# Altium PCB PCB.PcbDoc (part 2 of 4)
Units mm, origin at the board's own origin, x right, y up, seen from the top; angles counter-clockwise.
Board outline 100 x 100 mm, 6 copper layers (Top Layer, Layer 2, Layer 3, Layer 4, Layer 5, Bottom Layer), stack 1.538 mm thick; 356 components, 247 nets, 1022 pads, 371 vias.
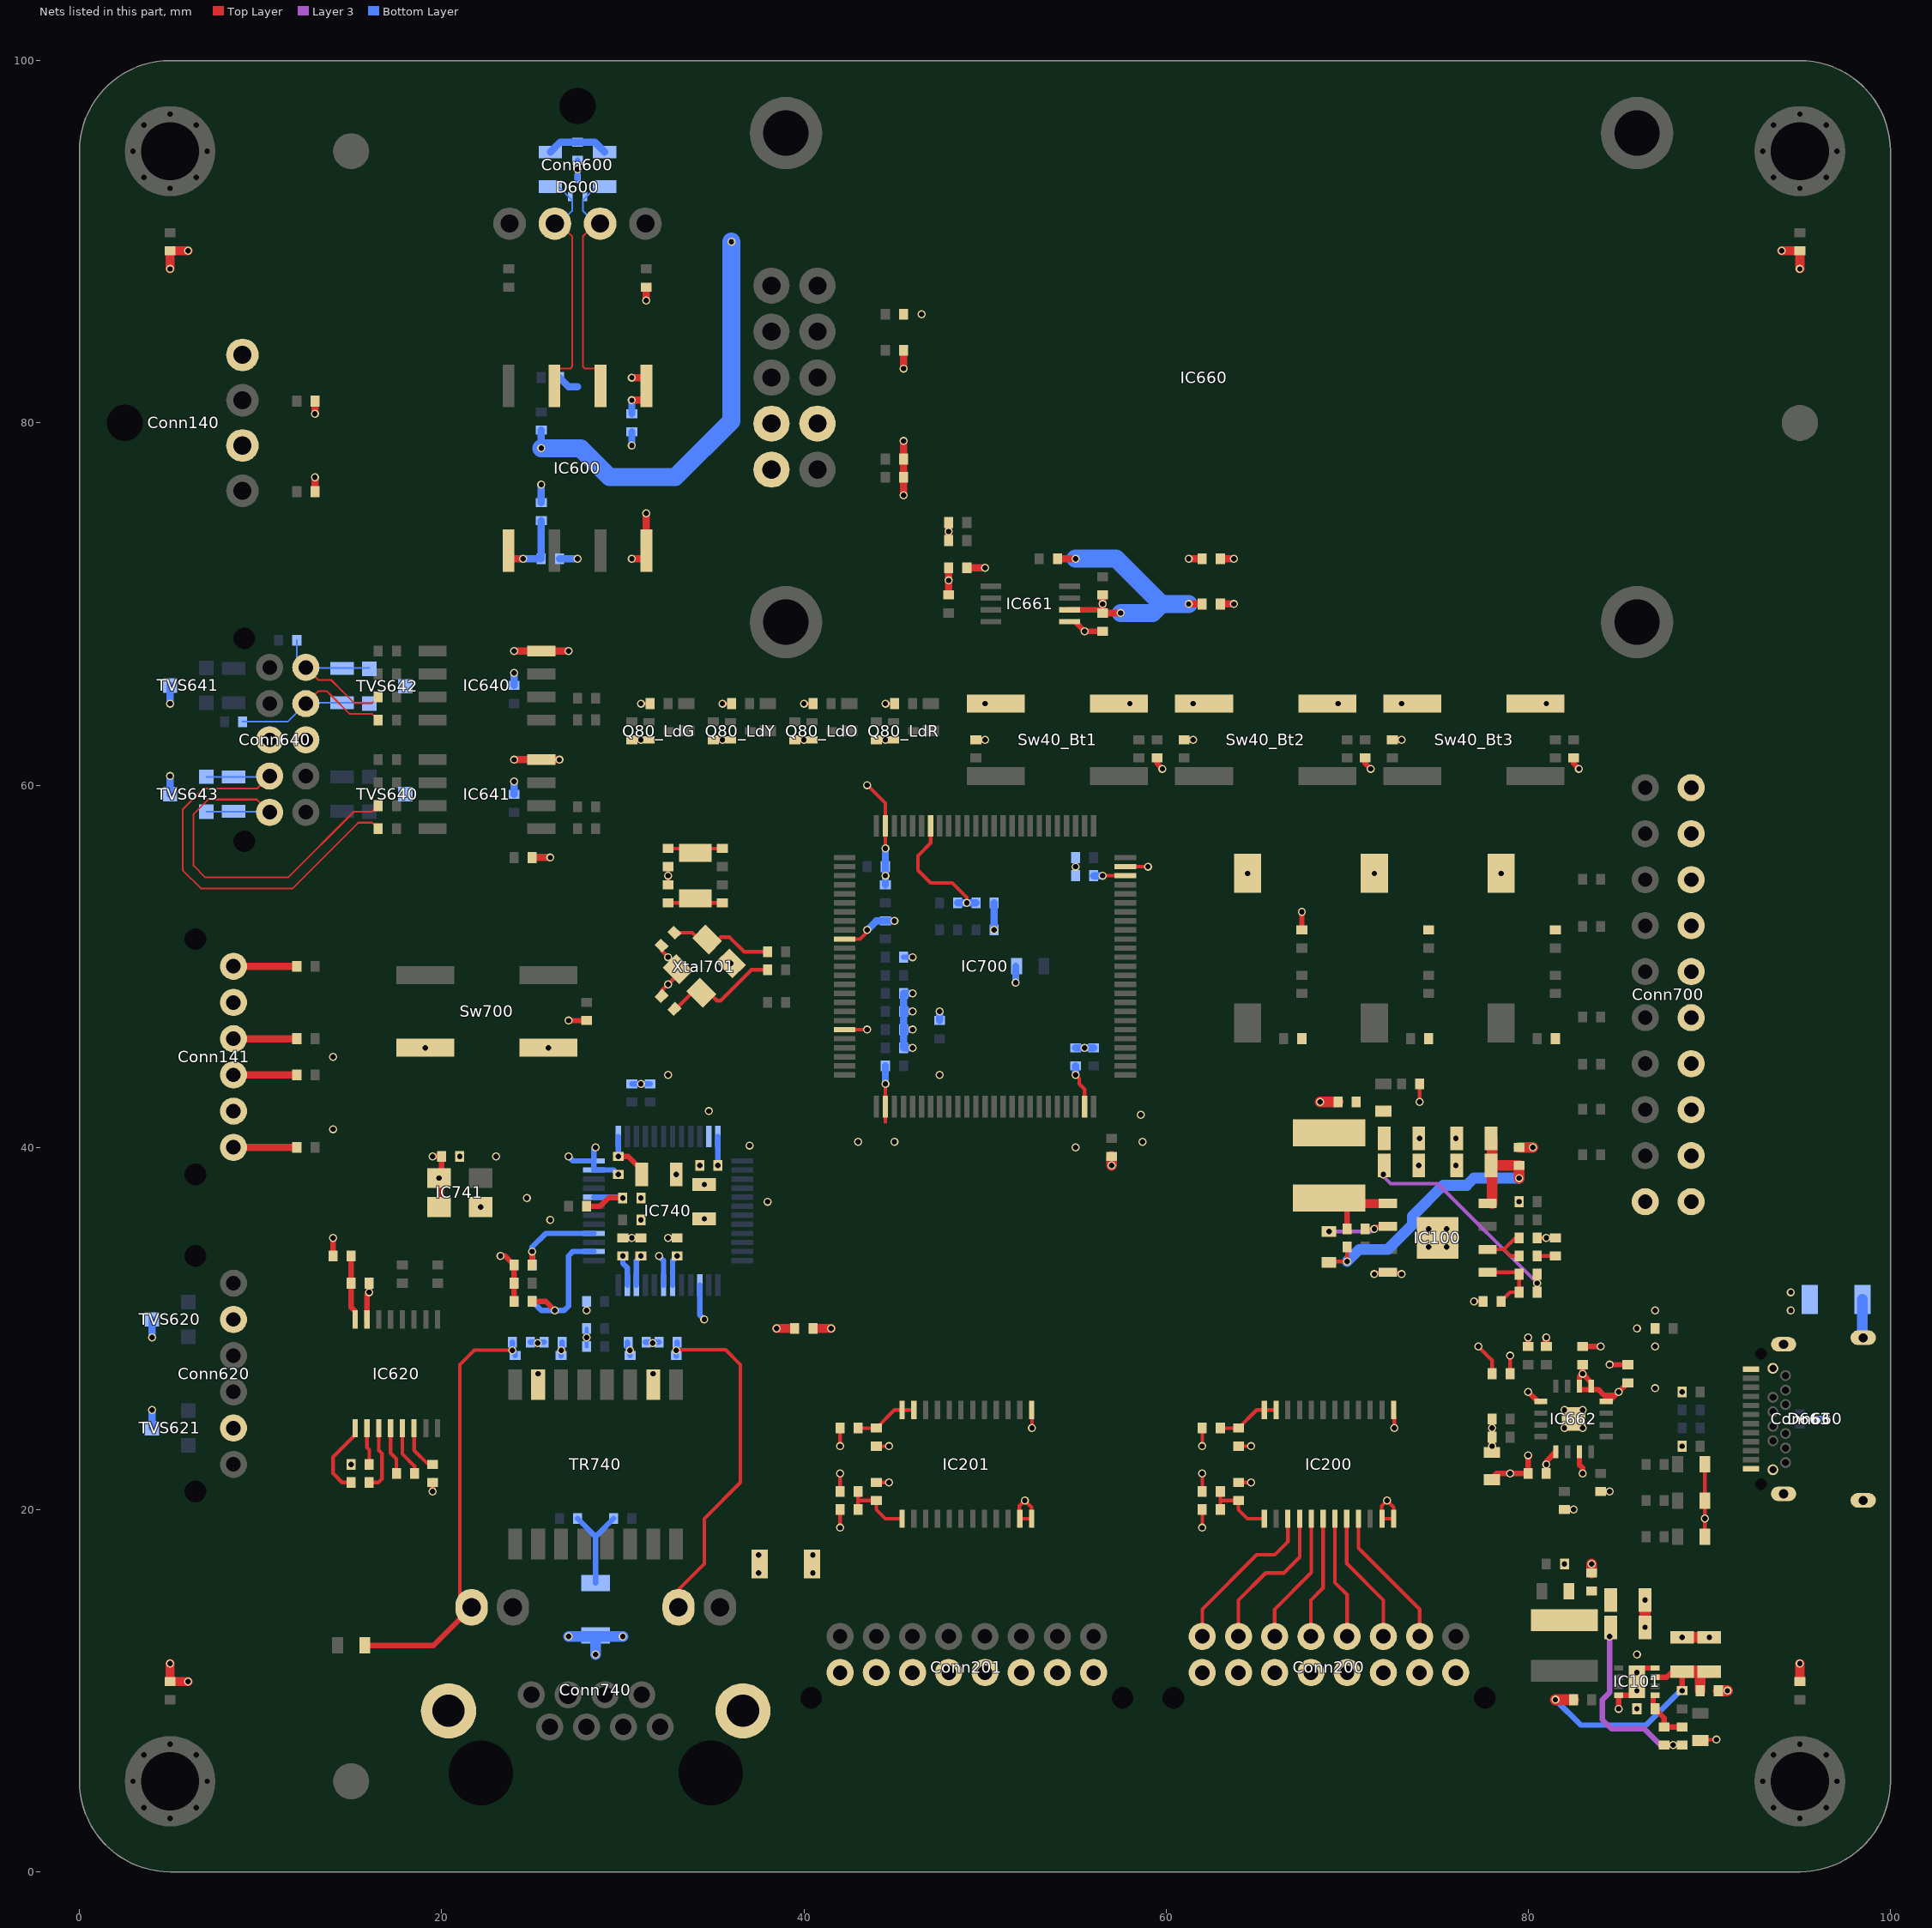
[diagram p6: the nets of this part, all layers, seen from the top]

## Footprints (in the part's own frame and the unit in brackets; to place one, negate y for a bottom-side part, rotate by r counter-clockwise, add the part's x,y. Pads: shape width x height; smd on the part's side, far side on the other; paste and mask are expansions set on the pad) (continued)
Resistor_Smd_M1005_I0402 [mm] "Resistor_Smd_M1005_I0402"
  rect 0.5x0.6 smd mask+0.05: 1(-0.5,0) 2(0.5,0)
  silkscreen extent -0.1,-0.3 0.1,0.3, body extent -0.5,-0.26 0.5,0.26, height 0.4
Resistor_Smd_M2012_I0805 [mm] "Resistor_Smd_M2012_I0805"
  rect 0.7x1.3 smd mask+0.05: 1(-0.95,0) 2(0.95,0)
  silkscreen extent -0.4,-0.6 0.4,0.6, body extent -1,-0.61 1,0.61, height 0.6
"Richtek, RT2862xSP, SOP-8" [mm] "Richtek, RT2862xSP, SOP-8"
  rect 1x0.5 smd mask+0.05: 1-SW(-2.75,1.905) 2-BOOT(-2.75,0.635) 3-EN(-2.75,-0.635) 4-GND(-2.75,-1.905) 5-FB(2.75,-1.905) 6-COMP(2.75,-0.635) 7-RT(2.75,0.635) 8-VIN(2.75,1.905)
  rect 2.3x2.3 smd paste-0.35 mask+0.05: EP-GND(0,0)
  silkscreen extent -2,-2.5 2,2.5, body extent -3.02,-2.51 3.02,2.51, height 1.6
"RJ45 - Amphenol, RJHSE-x38x-A1" [mil] "RJ45 - Amphenol, RJHSE-x38x-A1"
  round 59.06 hole 35.43 mask+1.97: 1(140,-35) 2(100,35) 3(60,-35) 4(20,35) 5(-20,-35) 7(-100,-35) 8(-140,35)
  round 59.06 hole 40 mask+1.97: 6(-60,35)
  round 0 hole 140 unplated mask+1.97: Hole-L(-250,-135) Hole-R(250,-135)
  oval 70x80 hole 40 mask+1.97: L1-A(-270,225) L1-C(-180,225) L2-A(180,225) L2-C(270,225)
  round 120 hole 70 mask+1.97: Shield(-320,0) Shield(320,0)
  silkscreen extent -325,-350 325,270, body extent -331,-361 331,277, height 582
"Slide, SPST - C&K, SDA01HxS" [mm] "Slide, SPST - C&K, SDA01HxS"
  rect 1.5x2.15 smd mask+0.05: A(0,4.125) B(0,-4.125)
  silkscreen extent -2.26,-3.74 2.26,3.74, body extent -2.26,-4.65 2.26,4.65, height 5.44
"SOIC-8, NB" [mm] "SOIC-8, NB"
  rect 1.55x0.6 smd mask+0.05: 1(-3,1.905) 2(-3,0.635) 3(-3,-0.635) 4(-3,-1.905) 5(3,-1.905) 6(3,-0.635) 7(3,0.635) 8(3,1.905)
  silkscreen extent -2,-2.5 2,2.5, body extent -3.1,-2.5 3.1,2.5, height 1.75
"SOT-416FL, Mosfet - Type 1" [mm] "SOT-416FL, Mosfet - Type 1"
  rect 0.4x0.6 smd mask+0.05: D(0,0.55) G(-0.5,-0.55) S(0.5,-0.55)
  silkscreen extent -0.8,-0.45 0.8,0.45, body extent -0.8,-0.85 0.8,0.85, height 0.87
"Tactile, SPST - Panasonic, EVQQ2" [mm] "Tactile, SPST - Panasonic, EVQQ2"
  rect 3.2x1 smd mask+0.05: A(-3.4,-2) A(3.4,-2) B(-3.4,2) B(3.4,2)
  silkscreen extent -3,-3.25 3,3.25, body extent -3.3,-3 3.3,3, height 3.1
"Taiyo Yuden - Power Inductor, 4040TK" [mm] "Taiyo Yuden - Power Inductor, 4040TK"
  rect 1.2x3.7 smd mask+0.05: 1(-1.4,0) 2(1.4,0)
  silkscreen extent -2,-2 2,2, body extent -2,-2 2,2, height 1.2
"Taiyo Yuden - Power Inductor, 5050WK" [mm] "Taiyo Yuden - Power Inductor, 5050WK"
  rect 1.5x4 smd mask+0.05: 1(-1.8,0) 2(1.8,0)
  silkscreen extent -2,-2 2,2, body extent -2.45,-2.45 2.45,2.45, height 3
"Transformer, Pulse - Bourns, SM13126PEL" [mm] "Transformer, Pulse - Bourns, SM13126PEL"
  rect 1.7x0.76 smd mask+0.05: 1(-4.4,4.445) 2(-4.4,3.175) 3(-4.4,1.905) 4(-4.4,0.635) 5(-4.4,-0.635) 6(-4.4,-1.905) 7(-4.4,-3.175) 8(-4.4,-4.445) 9(4.4,-4.445) 10(4.4,-3.175) 11(4.4,-1.905) 12(4.4,-0.635) 13(4.4,0.635) 14(4.4,1.905) 15(4.4,3.175) 16(4.4,4.445)
  silkscreen extent -3.45,-6.4 3.45,6.4, body extent -4.72,-6.4 4.72,6.4, height 5.65
"TSSOP-8, Body 3mm, Pitch 0.65mm" [mm] "TSSOP-8, Body 3mm, Pitch 0.65mm"
  rect 1.15x0.3 smd mask+0.05: 1(-2.175,0.975) 2(-2.175,0.325) 3(-2.175,-0.325) 4(-2.175,-0.975) 5(2.175,-0.975) 6(2.175,-0.325) 7(2.175,0.325) 8(2.175,0.975)
  silkscreen extent -1.5,-1.5 1.5,1.5, body extent -2.5,-1.55 2.5,1.55, height 1.11
TSSOP-16 [mm] "TSSOP-16"
  rect 1x0.29 smd mask+0.05: 1(-3,2.275) 2(-3,1.625) 3(-3,0.975) 4(-3,0.325) 5(-3,-0.325) 6(-3,-0.975) 7(-3,-1.625) 8(-3,-2.275) 9(3,-2.275) 10(3,-1.625) 11(3,-0.975) 12(3,-0.325) 13(3,0.325) 14(3,0.975) 15(3,1.625) 16(3,2.275)
  silkscreen extent -2.2,-2.6 2.2,2.6, body extent -3.2,-2.5 3.2,2.5, height 1.2
TSSOP-24 [mm] "TSSOP-24"
  rect 1x0.29 smd mask+0.05: 1(-3,3.575) 2(-3,2.925) 3(-3,2.275) 4(-3,1.625) 5(-3,0.975) 6(-3,0.325) 7(-3,-0.325) 8(-3,-0.975) 9(-3,-1.625) 10(-3,-2.275) 11(-3,-2.925) 12(-3,-3.575) 13(3,-3.575) 14(3,-2.925) 15(3,-2.275) 16(3,-1.625) 17(3,-0.975) 18(3,-0.325) 19(3,0.325) 20(3,0.975) 21(3,1.625) 22(3,2.275) 23(3,2.925) 24(3,3.575)
  silkscreen extent -2.2,-3.9 2.2,3.9, body extent -3.28,-3.95 3.28,3.95, height 1.2

## Part data
C40_Bt1 C40_Bt2 C40_Bt3 C60_Sw1 C60_Sw2 C60_Sw3 C100 C200 C201 C202 C203 C600 C601 C602 C620 C621 C622 C623 C624 C640 C641 C660 C661 C663 C664 C665 C700 C704 C705 C706 C707 C708 C709 C712 C713 C715 C740 C741 C742 C744 C746 C747 C748 C750 C752 C753 C754: "Cap, Cer, 100nF, 6.3V, M1005", Manufacturer=Kyocera, Manufacturer Part Number=04026D104KAT4A, Operating Temperature, Max=-55℃, Operating Temperature, Min=+85℃, Package=M1005, Supplier Part Number=478-11504-1-ND, Temperature Coefficient=X5R, Tolerance=10%, Voltage=6.3V, Component Category=Capacitor, Component Type=Ceramic, ComponentLink1Description=Datasheet, ComponentLink1URL="E:\Altium\Datasheets\Capacitor\Kyocera - X5R.pdf", ComponentLink2Description="Supplier Link", ComponentLink2URL=https://www.digikey.com/en/products/detail/kyocera-avx/04026D104KAT4A/8107673, Price, Max=0.00189, Price, Min=0.1, Quantity, Max=250000, Quantity, Min=1, Supplier=Digikey, Supplier Currency=$, Supplier Link=https://www.digikey.com/en/products/detail/kyocera-avx/04026D104KAT4A/8107673
C101 C102 C104 C105 C108 C109 C111 C112: "Cap, Cer, 22uF, 6.3V, M2012", Manufacturer=Murata, Manufacturer Part Number=GRM21BR60J226ME39K, Operating Temperature, Max=-55℃, Operating Temperature, Min=+85℃, Package=M2012, Supplier Part Number=490-6471-1-ND, Temperature Coefficient=X5R, Tolerance=20%, Voltage=6.3V, Component Category=Capacitor, Component Type=Ceramic, ComponentLink1Description=Datasheet, ComponentLink1URL="E:\Altium\Datasheets\Capacitor\Murata - Multilayer Ceramic Capacitors.pdf", ComponentLink2Description="Supplier Link", ComponentLink2URL=https://www.digikey.com/en/products/detail/murata-electronics/GRM21BR60J226ME39K/2546881, Price, Max=0.02843, Price, Min=0.25, Quantity, Max=250000, Quantity, Min=1, Supplier=Digikey, Supplier Currency=$, Supplier Link=https://www.digikey.com/en/products/detail/murata-electronics/GRM21BR60J226ME39K/2546881
C103 C106 C110 C666 C667 C701 C702: "Cap, Cer, 22pF, 25V, M1005", Manufacturer=Walsin, Manufacturer Part Number=0402N220J250CT, Operating Temperature, Max=-55℃, Operating Temperature, Min=+125℃, Package=M1005, Supplier Part Number=1292-1282-1-ND, Temperature Coefficient="C0G, NP0", Tolerance=5%, Voltage=25V, Component Category=Capacitor, Component Type=Ceramic, ComponentLink1Description=Datasheet, ComponentLink1URL="E:\Altium\Datasheets\Capacitor\Walsin - Multilayer Ceramic Capacitors.pdf", ComponentLink2Description="Supplier Link", ComponentLink2URL=https://www.digikey.com/en/products/detail/walsin-technology-corporation/0402N220J250CT/9354779, Price, Max=0.00177, Price, Min=0.1, Quantity, Max=250000, Quantity, Min=1, Supplier=Digikey, Supplier Currency=$, Supplier Link=https://www.digikey.com/en/products/detail/walsin-technology-corporation/0402N220J250CT/9354779
C107: "Cap, Cer, 2.7nF, 50V, M1005", Manufacturer=Walsin, Manufacturer Part Number=CC0402KRX7R9BB272, Operating Temperature, Max=-55℃, Operating Temperature, Min=+125℃, Package=M1005, Supplier Part Number=311-1033-1-ND, Temperature Coefficient=X7R, Tolerance=10%, Voltage=50V, Component Category=Capacitor, Component Type=Ceramic, ComponentLink1Description=Datasheet, ComponentLink1URL="E:\Altium\Datasheets\Capacitor\Yageo - Surface-Mount Ceramic Multilayer Capacitors.pdf", ComponentLink2Description="Supplier Link", ComponentLink2URL=https://www.digikey.com/en/products/detail/yageo/CC0402KRX7R9BB272/302767, Price, Max=0.00278, Price, Min=0.1, Quantity, Max=250000, Quantity, Min=1, Supplier=Digikey, Supplier Currency=$, Supplier Link=https://www.digikey.com/en/products/detail/yageo/CC0402KRX7R9BB272/302767
C662 C703: "Cap, Cer, 4.7uF, 6.3V, M1608", Manufacturer=Samsung, Manufacturer Part Number=CL10A475KQ8NNNC, Operating Temperature, Max=-55℃, Operating Temperature, Min=+85℃, Package=M1608, Supplier Part Number=1276-1045-1-ND, Temperature Coefficient=X5R, Tolerance=10%, Voltage=6.3V, Component Category=Capacitor, Component Type=Ceramic, ComponentLink1Description=Datasheet, ComponentLink1URL="E:\Altium\Datasheets\Capacitor\Samsung - Multi Layer Ceramic Capacitors.pdf", ComponentLink2Description="Supplier Link", ComponentLink2URL=https://www.digikey.com/en/products/detail/samsung-electro-mechanics/CL10A475KQ8NNNC/3886703, Price, Max=0.00444, Price, Min=0.1, Quantity, Max=400000, Quantity, Min=1, Supplier=Digikey, Supplier Currency=$, Supplier Link=https://www.digikey.com/en/products/detail/samsung-electro-mechanics/CL10A475KQ8NNNC/3886703
C668 C749 C751: "Cap, Cer, 1nF, 2kV, M3216", Manufacturer=Yageo, Manufacturer Part Number=CC1206MKX7RDBB102, Operating Temperature, Max=-55℃, Operating Temperature, Min=+125℃, Package=M3216, Supplier Part Number=311-4501-1-ND, Temperature Coefficient=X7R, Tolerance=20%, Voltage=2kV, Component Category=Capacitor, Component Type=Ceramic, ComponentLink1Description=Datasheet, ComponentLink1URL="E:\Altium\Datasheets\Capacitor\Yageo - Surface-Mount Ceramic Multilayer Capacitors.pdf", ComponentLink2Description="Supplier Link", ComponentLink2URL=https://www.digikey.com/en/products/detail/yageo/CC1206MKX7RDBB102/5884663, Price, Max=0.03271, Price, Min=0.23, Quantity, Max=300000, Quantity, Min=1, Supplier=Digikey, Supplier Currency=$, Supplier Link=https://www.digikey.com/en/products/detail/yageo/CC1206MKX7RDBB102/5884663
C710 C711: "Cap, Cer, 1uF, 6.3V, M1005", Manufacturer=Samsung, Manufacturer Part Number=CL05A105MQ5NNNC, Operating Temperature, Max=-55℃, Operating Temperature, Min=+85℃, Package=M1005, Supplier Part Number=1276-1235-1-ND, Temperature Coefficient=X5R, Tolerance=20%, Voltage=6.3V, Component Category=Capacitor, Component Type=Ceramic, ComponentLink1Description=Datasheet, ComponentLink1URL="E:\Altium\Datasheets\Capacitor\Samsung - Multi Layer Ceramic Capacitors.pdf", ComponentLink2Description="Supplier Link", ComponentLink2URL=https://www.digikey.com/en/products/detail/samsung-electro-mechanics/CL05A105MQ5NNNC/3886893, Price, Max=0.00144, Price, Min=0.1, Quantity, Max=250000, Quantity, Min=1, Supplier=Digikey, Supplier Currency=$, Supplier Link=https://www.digikey.com/en/products/detail/samsung-electro-mechanics/CL05A105MQ5NNNC/3886893
C714 C718: "Cap, Cer, 16pF, 50V, M1005", Manufacturer=Walsin, Manufacturer Part Number=0402N160J500CT, Operating Temperature, Max=-55℃, Operating Temperature, Min=+125℃, Package=M1005, Supplier Part Number=1292-1262-1-ND, Temperature Coefficient="C0G, NP0", Tolerance=5%, Voltage=50V, Component Category=Capacitor, Component Type=Ceramic, ComponentLink1Description=Datasheet, ComponentLink1URL="E:\Altium\Datasheets\Capacitor\Walsin - Multilayer Ceramic Capacitors.pdf", ComponentLink2Description="Supplier Link", ComponentLink2URL=https://www.digikey.com/en/products/detail/walsin-technology-corporation/0402N160J500CT/9354759, Price, Max=0.00417, Price, Min=0.1, Quantity, Max=250000, Quantity, Min=1, Supplier=Digikey, Supplier Currency=$, Supplier Link=https://www.digikey.com/en/products/detail/walsin-technology-corporation/0402N160J500CT/9354759
C716 C717: "Cap, Cer, 2.2uF, 6.3V, M1005", Manufacturer=Samsung, Manufacturer Part Number=CL05A225MQ5NNNC, Operating Temperature, Max=-55℃, Operating Temperature, Min=+85℃, Package=M1005, Supplier Part Number=1276-1469-1-ND, Temperature Coefficient=X5R, Tolerance=20%, Voltage=6.3V, Component Category=Capacitor, Component Type=Ceramic, ComponentLink1Description=Datasheet, ComponentLink1URL="E:\Altium\Datasheets\Capacitor\Samsung - Multi Layer Ceramic Capacitors.pdf", ComponentLink2Description="Supplier Link", ComponentLink2URL=https://www.digikey.com/en/products/detail/samsung-electro-mechanics/CL05A225MQ5NNNC/3887127, Price, Max=0.00244, Price, Min=0.1, Quantity, Max=250000, Quantity, Min=1, Supplier=Digikey, Supplier Currency=$, Supplier Link=https://www.digikey.com/en/products/detail/samsung-electro-mechanics/CL05A225MQ5NNNC/3887127
C743 C745: "Cap, Cer, 10uF, 6.3V, M2012", Manufacturer=Samsung, Manufacturer Part Number=CL21A106MQFNNNE, Operating Temperature, Max=-55℃, Operating Temperature, Min=+85℃, Package=M2012, Supplier Part Number=1276-1298-1-ND, Temperature Coefficient=X5R, Tolerance=20%, Voltage=6.3V, Component Category=Capacitor, Component Type=Ceramic, ComponentLink1Description=Datasheet, ComponentLink1URL="E:\Altium\Datasheets\Capacitor\Samsung - Multi Layer Ceramic Capacitors.pdf", ComponentLink2Description="Supplier Link", ComponentLink2URL=https://www.digikey.com/en/products/detail/samsung-electro-mechanics/CL21A106MQFNNNE/3886956, Price, Max=0.0087, Price, Min=0.1, Quantity, Max=200000, Quantity, Min=1, Supplier=Digikey, Supplier Currency=$, Supplier Link=https://www.digikey.com/en/products/detail/samsung-electro-mechanics/CL21A106MQFNNNE/3886956
Conn140 Conn600: "Conn, JST, 4P, TH, XA, Side Entry", Manufacturer=JST, Manufacturer Part Number=S04B-XASK-1(LF)(SN), Operating Temperature, Max=+85℃, Operating Temperature, Min=-25℃, Package="SMD, TH, Side Entry", Supplier Part Number=455-4090-ND, Component Category=Connector, Component Type=PCB, ComponentLink1Description=Datasheet, ComponentLink1URL="E:\Altium\Datasheets\Connector - JST\XA Family.pdf", ComponentLink2Description="Supplier Link", ComponentLink2URL=https://www.digikey.com/en/products/detail/jst-sales-america-inc/S04B-XASK-1-LF-SN/7230506, Price, Max=0.22547, Price, Min=0.53, Quantity, Max=10000, Quantity, Min=1, Supplier=Digikey, Supplier Currency=$, Supplier Link=https://www.digikey.com/en/products/detail/jst-sales-america-inc/S04B-XASK-1-LF-SN/7230506
Conn141: "Conn, JST, 6P, TH, PA, Side Entry", Manufacturer=JST, Manufacturer Part Number=S06B-PASK-2(LF)(SN), Operating Temperature, Max=+85℃, Operating Temperature, Min=-25℃, Package="TH, RA, Side Entry", Supplier Part Number=455-1851-ND, Component Category=Connector, Component Type=PCB, ComponentLink1Description=Datasheet, ComponentLink1URL="E:\Altium\Datasheets\Connector - JST\PA Family.pdf", ComponentLink2Description="Supplier Link", ComponentLink2URL=https://www.digikey.com/en/products/detail/jst-sales-america-inc/S06B-PASK-2-LF-SN/926757, Price, Max=0.21423, Price, Min=0.51, Quantity, Max=10000, Quantity, Min=1, Supplier=Digikey, Supplier Currency=$, Supplier Link=https://www.digikey.com/en/products/detail/jst-sales-america-inc/S06B-PASK-2-LF-SN/926757
Conn200 Conn201: "Conn, JST, 16P, TH, PAD, Side Entry", Manufacturer=JST, Manufacturer Part Number=S16B-PADSS-1(LF)(SN), Operating Temperature, Max=+85℃, Operating Temperature, Min=-25℃, Package="TH, 2 Rows, RA, Side Entry", Supplier Part Number=455-2037-ND, Component Category=Connector, Component Type=PCB, ComponentLink1Description=Datasheet, ComponentLink1URL="E:\Altium\Datasheets\Connector - JST\PAD Family.pdf", ComponentLink2Description="Supplier Link", ComponentLink2URL=https://www.digikey.com/en/products/detail/jst-sales-america-inc/S16B-PADSS-1-LF-SN/1634778, Price, Max=0.35386, Price, Min=0.77, Quantity, Max=10080, Quantity, Min=1, Supplier=Digikey, Supplier Currency=$, Supplier Link=https://www.digikey.com/en/products/detail/jst-sales-america-inc/S16B-PADSS-1-LF-SN/1634778
Conn620: "Conn, JST, 6P, TH, PA, Side Entry", Manufacturer=JST, Manufacturer Part Number=S06B-PASK-2(LF)(SN), Operating Temperature, Max=+85℃, Operating Temperature, Min=-25℃, Package="TH, Side", Supplier Part Number=455-1851-ND, Component Category=Connector, Component Type=PCB, ComponentLink1Description=Datasheet, ComponentLink1URL="E:\Altium\Datasheets\Connector - JST\PA Family.pdf", ComponentLink2Description="Supplier Link", ComponentLink2URL=https://www.digikey.com/en/products/detail/jst-sales-america-inc/S06B-PASK-2-LF-SN/926757, Price, Max=0.21423, Price, Min=0.51, Quantity, Max=10000, Quantity, Min=1, Supplier=Digikey, Supplier Currency=$, Supplier Link=https://www.digikey.com/en/products/detail/jst-sales-america-inc/S06B-PASK-2-LF-SN/926757
Conn640: "Conn, JST, 10P, TH, PAD, Side Entry", Manufacturer=JST, Manufacturer Part Number=S10B-PADSS-1(LF)(SN), Operating Temperature, Max=+85℃, Operating Temperature, Min=-25℃, Package="TH, 2 Rows, RA, Side Entry", Supplier Part Number=455-2032-ND, Component Category=Connector, Component Type=PCB, ComponentLink1Description=Datasheet, ComponentLink1URL="E:\Altium\Datasheets\Connector - JST\PAD Family.pdf", ComponentLink2Description="Supplier Link", ComponentLink2URL=https://www.digikey.com/en/products/detail/jst-sales-america-inc/S10B-PADSS-1-LF-SN/1634773, Price, Max=0.27565, Price, Min=0.65, Quantity, Max=10080, Quantity, Min=1, Supplier=Digikey, Supplier Currency=$, Supplier Link=https://www.digikey.com/en/products/detail/jst-sales-america-inc/S10B-PADSS-1-LF-SN/1634773
Conn660: "Conn, USB, TYPE-C", Manufacturer=GCT, Manufacturer Part Number=USB4056-03-A, Operating Temperature, Max=+85℃, Operating Temperature, Min=-25℃, Package="TH+SMT, Side", Supplier Part Number=2073-USB4056-03-ACT-ND, Component Category=Connector, Component Type=USB, ComponentLink1Description=Datasheet, ComponentLink1URL="E:\Altium\Datasheets\Connector - USB\GCT, USB4056.pdf", ComponentLink2Description="Supplier Link", ComponentLink2URL=https://www.digikey.com/en/products/detail/gct/USB4056-03-A/14638038, Price, Max=0.44463, Price, Min=0.97, Quantity, Max=10000, Quantity, Min=1, Supplier=Digikey, Supplier Currency=$, Supplier Link=https://www.digikey.com/en/products/detail/gct/USB4056-03-A/14638038
Conn700: "Conn, Header, 20P, RA, TH, Shrouded", Manufacturer=Omron, Manufacturer Part Number=XG4C-2034, Operating Temperature, Max=+105℃, Operating Temperature, Min=-55℃, Package="TH, RA, Shrouded", Supplier Part Number=OR900-ND, Component Category=Connector, Component Type=Header, ComponentLink1Description=Datasheet, ComponentLink1URL="E:\Altium\Datasheets\Connector - Header\Connector - Omron, XG4 Series.pdf", ComponentLink2Description="Supplier Link", ComponentLink2URL=https://www.digikey.com/en/products/detail/omron-electronics-inc-emc-div/XG4C-2034/1787182, Price, Max=1.27716, Price, Min=1.97, Quantity, Max=450, Quantity, Min=1, Supplier=Digikey, Supplier Currency=$, Supplier Link=https://www.digikey.com/en/products/detail/omron-electronics-inc-emc-div/XG4C-2034/1787182
Conn740: "Conn, RJ45, 2 Leds, Shielded, Side Entry", Manufacturer=Amphenol, Manufacturer Part Number=RJHSE5381A1, Operating Temperature, Max=+85℃, Operating Temperature, Min=-55℃, Package=RJ45, Supplier Part Number=RJHSE5381A1-ND, Component Category=Connector, Component Type=PCB, ComponentLink1Description=Datasheet, ComponentLink1URL="E:\Altium\Datasheets\Connector - Registered Jack\RJ45 - Amphenol, RJHSE-x38x-A1.pdf", ComponentLink2Description="Supplier Link", ComponentLink2URL=https://www.digikey.com/en/products/detail/amphenol-cs-commercial-products/RJHSE5381A1/3083556, Price, Max=0.806, Price, Min=1.51, Quantity, Max=2400, Quantity, Min=1, Supplier=Digikey, Supplier Currency=$, Supplier Link=https://www.digikey.com/en/products/detail/amphenol-cs-commercial-products/RJHSE5381A1/3083556
D100: "Diode, Schottky, 30V, 200mA, SOD-523", Current=200mA, Manufacturer=Toshiba, Manufacturer Part Number=CES521,L3F, Operating Temperature, Max=+125℃, Operating Temperature, Min=---℃, Package=SOD-523, Supplier Part Number=CES521L3FCT-ND, Voltage=30V, Component Category=Diode, Component Type=Schottky, ComponentLink1Description=Datasheet, ComponentLink1URL="E:\Altium\Datasheets\Diode\Toshiba, CES521.pdf", ComponentLink2Description="Supplier Link", ComponentLink2URL=https://www.digikey.com/en/products/detail/toshiba-semiconductor-and-storage/CES521-L3F/3522356, Price, Max=0.018, Price, Min=0.18, Quantity, Max=200000, Quantity, Min=1, Supplier=Digikey, Supplier Currency=$, Supplier Link=https://www.digikey.com/en/products/detail/toshiba-semiconductor-and-storage/CES521-L3F/3522356
D101 D102 D103 D203 D660: "Diode, Led, Green-Yellow, 2.2V, 20mA, M1608", Current=20mA, Manufacturer=Rohm, Manufacturer Part Number=SML-D12M1WT86, Operating Temperature, Max=+85℃, Operating Temperature, Min=-40℃, Package=M1608, Supplier Part Number=SML-D12M1WT86CT-ND, Voltage=2.2V, Component Category=Diode, Component Type=Led, ComponentLink1Description=Datasheet, ComponentLink1URL="E:\Altium\Datasheets\Diode\Rohm, SML-D12x1 Series.pdf", ComponentLink2Description="Supplier Link", ComponentLink2URL=https://www.digikey.com/en/products/detail/rohm-semiconductor/SML-D12M1WT86/5843856, Price, Max=0.02838, Price, Min=0.25, Quantity, Max=75000, Quantity, Min=1, Supplier=Digikey, Supplier Currency=$, Supplier Link=https://www.digikey.com/en/products/detail/rohm-semiconductor/SML-D12M1WT86/5843856
D200 D662: "Diode, Led, Red, 2.2V, 20mA, M1608", Current=20mA, Manufacturer=Rohm, Manufacturer Part Number=SML-D12U1WT86, Operating Temperature, Max=+85℃, Operating Temperature, Min=-40℃, Package=M1608, Supplier Part Number=SML-D12U1WT86CT-ND, Voltage=2.2V, Component Category=Diode, Component Type=Led, ComponentLink1Description=Datasheet, ComponentLink1URL="E:\Altium\Datasheets\Diode\Rohm, SML-D12x1 Series.pdf", ComponentLink2Description="Supplier Link", ComponentLink2URL=https://www.digikey.com/en/products/detail/rohm-semiconductor/SML-D12U1WT86/5843853, Price, Max=0.02838, Price, Min=0.25, Quantity, Max=75000, Quantity, Min=1, Supplier=Digikey, Supplier Currency=$, Supplier Link=https://www.digikey.com/en/products/detail/rohm-semiconductor/SML-D12U1WT86/5843853
D201 D661 D740: "Diode, Led, Orange, 2.2V, 20mA, M1608", Current=20mA, Manufacturer=Rohm, Manufacturer Part Number=SML-D12D1WT86, Operating Temperature, Max=+85℃, Operating Temperature, Min=-40℃, Package=M1608, Supplier Part Number=SML-D12D1WT86CT-ND, Voltage=2.2V, Component Category=Diode, Component Type=Led, ComponentLink1Description=Datasheet, ComponentLink1URL="E:\Altium\Datasheets\Diode\Rohm, SML-D12x1 Series.pdf", ComponentLink2Description="Supplier Link", ComponentLink2URL=https://www.digikey.com/en/products/detail/rohm-semiconductor/SML-D12D1WT86/5843854, Price, Max=0.02838, Price, Min=0.25, Quantity, Max=75000, Quantity, Min=1, Supplier=Digikey, Supplier Currency=$, Supplier Link=https://www.digikey.com/en/products/detail/rohm-semiconductor/SML-D12D1WT86/5843854
D202: "Diode, Led, Yellow, 2.2V, 20mA, M1608", Current=20mA, Manufacturer=Rohm, Manufacturer Part Number=SML-D12Y1WT86, Operating Temperature, Max=+85℃, Operating Temperature, Min=-40℃, Package=M1608, Supplier Part Number=SML-D12Y1WT86CT-ND, Voltage=2.2V, Component Category=Diode, Component Type=Led, ComponentLink1Description=Datasheet, ComponentLink1URL="E:\Altium\Datasheets\Diode\Rohm, SML-D12x1 Series.pdf", ComponentLink2Description="Supplier Link", ComponentLink2URL=https://www.digikey.com/en/products/detail/rohm-semiconductor/SML-D12Y1WT86/5843855, Price, Max=0.02838, Price, Min=0.25, Quantity, Max=75000, Quantity, Min=1, Supplier=Digikey, Supplier Currency=$, Supplier Link=https://www.digikey.com/en/products/detail/rohm-semiconductor/SML-D12Y1WT86/5843855
D600 D663: "Diode, TVS, 5V/6.8V, SOD-723", Manufacturer=Toshiba, Manufacturer Part Number=DF3A6.8LFV,L3F, Operating Temperature, Max=---℃, Package=SOT-723, Supplier Part Number=DF3A6.8LFVL3FCT-ND, Voltage, Break Down=6.8V, Voltage, Stand Off=5V, Component Category=Diode, Component Type=Tvs, ComponentLink1Description=Datasheet, ComponentLink1URL="E:\Altium\Datasheets\Diode\Toshiba, DF3A6.8LFV.pdf", ComponentLink2Description="Supplier Link", ComponentLink2URL=https://www.digikey.com/en/products/detail/toshiba-semiconductor-and-storage/DF3A6-8LFV-L3F/4305070, Operating Temperature, Min=---℃, Price, Max=0.027, Price, Min=0.25, Quantity, Max=200000, Quantity, Min=1, Supplier=Digikey, Supplier Currency=$, Supplier Link=https://www.digikey.com/en/products/detail/toshiba-semiconductor-and-storage/DF3A6-8LFV-L3F/4305070
Fid1 Fid2 Fid3: "Mechanical, Fiducial, PCB, 2mm/5mm", Component Category=Mechanical, Component Type=Fiducial
Housing300 Housing305: "Housing, JST, 4P, XA", Manufacturer=JST, Manufacturer Part Number=XAP-04V-1, Operating Temperature, Max=+85℃, Operating Temperature, Min=-25℃, Supplier Part Number=455-2150-ND, Component Category=Connector, Component Type=Housing, ComponentLink1Description=Datasheet, ComponentLink1URL="E:\Altium\Datasheets\Connector - JST\XA Family.pdf", ComponentLink2Description="Supplier Link", ComponentLink2URL=https://www.digikey.com/en/products/detail/jst-sales-america-inc/XAP-04V-1/959010, Package=Housing, Price, Max=0.05958, Price, Min=0.16, Quantity, Max=2500, Quantity, Min=1, Supplier=Digikey, Supplier Currency=$, Supplier Link=https://www.digikey.com/en/products/detail/jst-sales-america-inc/XAP-04V-1/959010
Housing301 Housing302: "Housing, JST, 16P, PAD", Manufacturer=JST, Manufacturer Part Number=PADP-16V-1-S, Operating Temperature, Max=+85℃, Operating Temperature, Min=-25℃, Supplier Part Number=455-2143-ND, Component Category=Connector, Component Type=PCB, ComponentLink1Description=Datasheet, ComponentLink1URL="E:\Altium\Datasheets\Connector - JST\PAD Family.pdf", ComponentLink2Description="Supplier Link", ComponentLink2URL=https://www.digikey.com/en/products/detail/jst-sales-america-inc/PADP-16V-1-S/1300224, Package=Housing, Price, Max=0.152, Price, Min=0.35, Quantity, Max=2500, Quantity, Min=1, Supplier=Digikey, Supplier Currency=$, Supplier Link=https://www.digikey.com/en/products/detail/jst-sales-america-inc/PADP-16V-1-S/1300224?s=N4IgTCBcDaIAoEEAicC0BGAbANQyAugL5A
Housing303: "Housing, JST, 10P, PAD", Manufacturer=JST, Manufacturer Part Number=PADP-10V-1-S, Operating Temperature, Max=+85℃, Operating Temperature, Min=-25℃, Supplier Part Number=455-2140-ND, Component Category=Connector, Component Type=PCB, ComponentLink1Description=Datasheet, ComponentLink1URL="E:\Altium\Datasheets\Connector - JST\PAD Family.pdf", ComponentLink2Description="Supplier Link", ComponentLink2URL=https://www.digikey.com/en/products/detail/jst-sales-america-inc/PADP-10V-1-S/1300221, Package=Housing, Price, Max=0.14264, Price, Min=0.33, Quantity, Max=2500, Quantity, Min=1, Supplier=Digikey, Supplier Currency=$, Supplier Link=https://www.digikey.com/en/products/detail/jst-sales-america-inc/PADP-10V-1-S/1300221
Housing304: "Housing, JST, PAP-06V-S", Manufacturer=JST, Manufacturer Part Number=PAP-06V-S, Operating Temperature, Max=+85℃, Operating Temperature, Min=-25℃, Supplier Part Number=455-1490-ND, Component Category=Connector, Component Type=PCB, ComponentLink1Description=Datasheet, ComponentLink1URL="E:\Altium\Datasheets\Connector - JST\PA Family.pdf", ComponentLink2Description="Supplier Link", ComponentLink2URL=https://www.digikey.com/en/products/detail/jst-sales-america-inc/PAP-06V-S/759978, Package=Housing, Price, Max=0.07808, Price, Min=0.19, Quantity, Max=2500, Quantity, Min=1, Supplier=Digikey, Supplier Currency=$, Supplier Link=https://www.digikey.com/en/products/detail/jst-sales-america-inc/PAP-06V-S/759978
Housing306: "IC, Interface, FTDI, QFN-16", Manufacturer=JST, Manufacturer Part Number=PAP-06V-S, Operating Temperature, Max=+85℃, Operating Temperature, Min=-25℃, Supplier Part Number=455-1490-ND, Component Category=Connector, Component Type=PCB, ComponentLink1Description=Datasheet, ComponentLink1URL="E:\Altium\Datasheets\Connector - JST\PA Family.pdf", ComponentLink2Description="Supplier Link", ComponentLink2URL=https://www.digikey.com/en/products/detail/jst-sales-america-inc/PAP-06V-S/759978, Package=Housing, Price, Max=0.07808, Price, Min=0.19, Quantity, Max=2500, Quantity, Min=1, Supplier=Digikey, Supplier Currency=$, Supplier Link=https://www.digikey.com/en/products/detail/jst-sales-america-inc/PAP-06V-S/759978
IC100: "IC, Power, Buck, SOP-8", Manufacturer=Richtek, Manufacturer Part Number=RT2862GSP, Operating Temperature, Max=+85℃, Operating Temperature, Min=-40℃, Package=SOP-8, Supplier Part Number=1028-1373-1-ND, Component Category=IC, Component Type=Power, ComponentLink1Description=Datasheet, ComponentLink1URL="E:\Altium\Datasheets\IC - Power - DC-DC\Richtek, RT2862.pdf", ComponentLink2Description="Supplier Link", ComponentLink2URL=https://www.digikey.com/en/products/detail/richtek-usa-inc/RT2862GSP/5880463, Price, Max=0.85214, Price, Min=1.93, Quantity, Max=5000, Quantity, Min=1, Supplier=Digikey, Supplier Currency=$, Supplier Link=https://www.digikey.com/en/products/detail/richtek-usa-inc/RT2862GSP/5880463
IC101: "IC, Power, Buck, DFN-8, 2x2", Manufacturer=Richtek, Manufacturer Part Number=AP3441SHE-7B, Operating Temperature, Max=+85℃, Operating Temperature, Min=-40℃, Package=DFN-8, Supplier Part Number=AP3441SHE-7BDICT-ND, Component Category=IC, Component Type=Power, ComponentLink1Description=Datasheet, ComponentLink1URL="E:\Altium\Datasheets\IC - Power - DC-DC\Diodes, AP3441.pdf", ComponentLink2Description="Supplier Link", ComponentLink2URL=https://www.digikey.com/en/products/detail/diodes-incorporated/AP3441SHE-7B/9765636, Price, Max=0.13275, Price, Min=0.54, Quantity, Max=30000, Quantity, Min=1, Supplier=Digikey, Supplier Currency=$, Supplier Link=https://www.digikey.com/en/products/detail/diodes-incorporated/AP3441SHE-7B/9765636
IC200 IC201: "IC, Buffer, TSSOP-24", Manufacturer=Nexperia, Manufacturer Part Number=74LVC4245APW,118, Operating Temperature, Max=+125℃, Operating Temperature, Min=-40℃, Package=TSSOP-24, Supplier Part Number=1727-4308-1-ND, Component Category=IC, Component Type=Buffer, ComponentLink1Description=Datasheet, ComponentLink1URL="E:\Altium\Datasheets\IC - Buffer\Nexperia, 74LVC4245A.pdf", ComponentLink2Description="Supplier Link", ComponentLink2URL=https://www.digikey.com/en/products/detail/nexperia-usa-inc/74LVC4245APW-118/1231659, Price, Max=0.91, Price, Min=0.34185, Quantity, Max=5000, Quantity, Min=1, Supplier=Digikey, Supplier Currency=$, Supplier Link=https://www.digikey.com/en/products/detail/nexperia-usa-inc/74LVC4245APW-118/1231659
IC600: "IC, Interface, CAN, DIP-8, Gull Wing", Manufacturer=Texas, Manufacturer Part Number=ISO1050DUBR, Operating Temperature, Max=+105℃, Operating Temperature, Min=-55℃, Package="DIP-8, Gull Wing", Supplier Part Number=296-24818-1-ND, Component Category=IC, Component Type=Interface, ComponentLink1Description=Datasheet, ComponentLink1URL="E:\Altium\Datasheets\IC - Interface\CAN - Texas, ISO1050.pdf", ComponentLink2Description="Supplier Link", ComponentLink2URL=https://www.digikey.com/en/products/detail/texas-instruments/ISO1050DUBR/2094633, Price, Max=3.25280, Price, Min=5.71, Quantity, Max=1050, Quantity, Min=1, Supplier=Digikey, Supplier Currency=$, Supplier Link=https://www.digikey.com/en/products/detail/texas-instruments/ISO1050DUBR/2094633
IC620: "IC, Interface, RS232, TSSOP-24", Manufacturer=Texas, Manufacturer Part Number=TRS3232IPWR, Operating Temperature, Max=+85℃, Operating Temperature, Min=-55℃, Package=TSSOP-24, Supplier Part Number=296-25041-1-ND, Component Category=IC, Component Type=Interface, ComponentLink1Description=Datasheet, ComponentLink1URL="E:\Altium\Datasheets\IC - Interface\RS232 - Texas, TRS3232.pdf", ComponentLink2Description="Supplier Link", ComponentLink2URL=https://www.digikey.com/en/products/detail/texas-instruments/TRS3232IPWR/1909117, Price, Max=0.9984, Price, Min=1.95, Quantity, Max=2000, Quantity, Min=1, Supplier=Digikey, Supplier Currency=$, Supplier Link=https://www.digikey.com/en/products/detail/texas-instruments/TRS3232IPWR/1909117
IC640 IC641: "IC, Interface, RS422, SOIC-8", Manufacturer=Texas, Manufacturer Part Number=SN65HVD30DR, Operating Temperature, Max=+85℃, Operating Temperature, Min=-55℃, Package=SOIC-8, Supplier Part Number=296-19625-1-ND, Component Category=IC, Component Type=Interface, ComponentLink1Description=Datasheet, ComponentLink1URL="E:\Altium\Datasheets\IC - Interface\RS422 - Texas, SN65HVD3x.pdf", ComponentLink2Description="Supplier Link", Price, Max=2.16943, Price, Min=4.32, Quantity, Max=2500, Quantity, Min=1, Supplier=Digikey, Supplier Currency=$, Supplier Link=https://www.digikey.com/en/products/detail/texas-instruments/SN65HVD30DR/1016459
  IC640: ComponentLink2URL=https://www.digikey.com/en/products/detail/texas-instruments/SN65HVD30DR/1016459
  IC641: ComponentLink2URL=https://www.digikey.com/en/products/detail/texas-instruments/SN65HVD30D/1574539
IC660: "Module, Display, Lcd, 2 Lines, I2C", Manufacturer="Orient Display", Manufacturer Part Number=AMC0802BR-B-B6WTDW-I2C, Operating Temperature, Max=+70℃, Operating Temperature, Min=-20℃, Package=Custom, Supplier Part Number=3444-AMC0802BR-B-B6WTDW-I2C-ND, Component Category=Module, Component Type=LCD, ComponentLink1Description=Datasheet, ComponentLink1URL="E:\Altium\Datasheets\Module - LCD\Orient, AMC0802BR-B-B6WTDW-I2C.pdf", ComponentLink2Description="Supplier Link", ComponentLink2URL=https://www.digikey.com/en/products/detail/orient-display/AMC0802BR-B-B6WTDW-I2C/12089222, Price, Max=4.21208, Price, Min=8.69, Quantity, Max=2000, Quantity, Min=1, Supplier=Digikey, Supplier Currency=$, Supplier Link=https://www.digikey.com/en/products/detail/orient-display/AMC0802BR-B-B6WTDW-I2C/12089222
IC661: "IC, Interface, I2C, TSSOP-8", Manufacturer=Nxp, Manufacturer Part Number=NVT2002DP,118, Operating Temperature, Max=+85℃, Operating Temperature, Min=-40℃, Package=TSSOP-8, Supplier Part Number=568-5121-1-ND, Component Category=IC, Component Type=Interface, ComponentLink1Description=Datasheet, ComponentLink1URL="E:\Altium\Datasheets\IC - Interface\Voltage Translator, I2C - Nxp, NVT2001, NVT2002.pdf", ComponentLink2Description="Supplier Link", ComponentLink2URL=https://www.digikey.com/en/products/detail/nxp-usa-inc/NVT2002DP-118/2355938, Price, Max=0.35985, Price, Min=0.94, Quantity, Max=5000, Quantity, Min=1, Supplier=Digikey, Supplier Currency=$, Supplier Link=https://www.digikey.com/en/products/detail/nxp-usa-inc/NVT2002DP-118/2355938
IC662: "IC, Interface, FTDI, QFN-16", Manufacturer=FTDI, Manufacturer Part Number=FT230XQ-R, Operating Temperature, Max=+85℃, Operating Temperature, Min=-40℃, Package=QFN-16, Supplier Part Number=768-1130-1-ND, Component Category=IC, Component Type=Interface, ComponentLink1Description=Datasheet, ComponentLink1URL="E:\Altium\Datasheets\IC - Interface\FTDI, FT230X.pdf", ComponentLink2Description="Supplier Link", ComponentLink2URL=https://www.digikey.com/en/products/detail/ftdi-future-technology-devices-international-ltd/FT230XQ-R/3029142, Price, Max=1.7125, Price, Min=2.14, Quantity, Max=5000, Quantity, Min=1, Supplier=Digikey, Supplier Currency=$, Supplier Link=https://www.digikey.com/en/products/detail/ftdi-future-technology-devices-international-ltd/FT230XQ-R/3029142
IC700: "IC, MCU, STM32F417, QFP-100", Manufacturer=STM, Manufacturer Part Number=STM32F417VGT6, Operating Temperature, Max=+85℃, Operating Temperature, Min=-40℃, Package=QFP-100, Supplier Part Number=497-11900-ND, Component Category=IC, Component Type=MCU, ComponentLink1Description=Datasheet, ComponentLink1URL="E:\Altium\Datasheets\IC - MCU\STM, STM32F415xx, STM32F417xx.pdf", ComponentLink2Description="Supplier Link", ComponentLink2URL=https://www.digikey.com/en/products/detail/stmicroelectronics/STM32F417VGT6/2757684, ComponentLink3Description="Programming Manual", ComponentLink3URL="E:\Altium\Datasheets\IC - MCU\STM, STM32 Cortex -M4 MCUs and MPUs programming manual.pdf", Price, Max=13.22667, Price, Min=19.05, Quantity, Max=450, Quantity, Min=1, Supplier=Digikey, Supplier Currency=$, Supplier Link=https://www.digikey.com/en/products/detail/stmicroelectronics/STM32F417VGT6/2757684
IC740: "IC, Interface, Eth Phy, 10/100Mb, DP83848IVV", Manufacturer=Texas, Manufacturer Part Number=DP83848IVV/NOPB, Operating Temperature, Max=+85℃, Operating Temperature, Min=-40℃, Package=QFP-48, Supplier Part Number=DP83848IVV/NOPB-ND, Component Category=IC, Component Type=Interface, ComponentLink1Description=Datasheet, ComponentLink1URL="E:\Altium\Datasheets\IC - Interface\Ethernet - Texas, DP83848.pdf", ComponentLink2Description="Supplier Link", ComponentLink2URL=https://www.digikey.com/en/products/detail/texas-instruments/DP83848IVV-NOPB/947543, Price, Max=3.834, Price, Min=6.45, Quantity, Max=1000, Quantity, Min=1, Supplier=Digikey, Supplier Currency=$, Supplier Link=https://www.digikey.com/en/products/detail/texas-instruments/DP83848IVV-NOPB/947543
IC741: "IC, Oscillator, 50MHz", Frequency=50MHz, Manufacturer=ECS, Manufacturer Part Number=ECS-2333-500-BN-TR, Operating Temperature, Max=+85℃, Operating Temperature, Min=-40℃, Package="Flat, 3.2mm x 2.5mm", Supplier Part Number=XC1930CT-ND, Component Category=IC, Component Type="Clock, Timing, Oscillator", ComponentLink1Description=Datasheet, ComponentLink1URL="E:\Altium\Datasheets\IC - Clock, Timing, Oscillator\Clock Oscillator - ECS, ECS-2325, ECS-2333.pdf", ComponentLink2Description="Supplier Link", ComponentLink2URL=https://www.digikey.com/en/products/detail/ecs-inc/ECS-2333-500-BN-TR/3927356, Price, Max=0.71656, Price, Min=1.24, Quantity, Max=10000, Quantity, Min=1, Supplier=Digikey, Supplier Currency=$, Supplier Link=https://www.digikey.com/en/products/detail/ecs-inc/ECS-2333-500-BN-TR/3927356
L100: "Inductor, Power, 4.7uH, 2A, 5x5x2mm", Manufacturer="Taiyo Yuden", Manufacturer Part Number=NRS5020T4R7MMGJ, Operating Temperature, Max=+125℃, Operating Temperature, Min=-25℃, Package="5x5x2 mm", Saturation Current=2A, Supplier Part Number=587-2407-1-ND, Component Category=Inductor, Component Type="Power Inductor", ComponentLink1Description=Datasheet, ComponentLink1URL="E:\Altium\Datasheets\Inductor\Taiyo Yuden - NRx Series.pdf", ComponentLink2Description="Supplier Link", ComponentLink2URL=https://www.digikey.com/en/products/detail/taiyo-yuden/NRS5020T4R7MMGJ/2230192, Price, Max=0.1079, Price, Min=0.31, Quantity, Max=20000, Quantity, Min=1, Supplier=Digikey, Supplier Currency=$, Supplier Link=https://www.digikey.com/en/products/detail/taiyo-yuden/NRS5020T4R7MMGJ/2230192
L101: "Inductor, Power, 2.2uH, 3A, 4x4x1.8mm", Manufacturer="Taiyo Yuden", Manufacturer Part Number=NRS4018T2R2MDGJ, Operating Temperature, Max=+120℃, Operating Temperature, Min=-25℃, Package="4x4x1.8 mm", Saturation Current=3A, Supplier Part Number=587-2890-1-ND, Component Category=Inductor, Component Type="Power Inductor", ComponentLink1Description=Datasheet, ComponentLink1URL="E:\Altium\Datasheets\Inductor\Taiyo Yuden - NRx Series.pdf", ComponentLink2Description="Supplier Link", ComponentLink2URL=https://www.digikey.com/en/products/detail/taiyo-yuden/NRS4018T2R2MDGJ/2648968, Price, Max=0.08633, Price, Min=0.27, Quantity, Max=87500, Quantity, Min=1, Supplier=Digikey, Supplier Currency=$, Supplier Link=https://www.digikey.com/en/products/detail/taiyo-yuden/NRS4018T2R2MDGJ/2648968
Logo: "Mechanical, Logo", Component Category=Mechanical, Component Type=Logo
MHBL MHBR MHTL MHTR: "Mechanical, Mounting Hole", Component Category=Mechanical, Component Type="Mounting Hole"
Pin300 Pin301 Pin318 Pin319 Pin352 Pin353 Pin356 Pin357: "Pin, JST, SXA-001T-P0.6", Manufacturer=JST, Manufacturer Part Number=SXA-001T-P0.6, Operating Temperature, Max=---℃, Package=Housing, Supplier Part Number=455-1904-1-ND, Component Category=Connector, Component Type=Pin, ComponentLink1Description=Datasheet, ComponentLink1URL="E:\Altium\Datasheets\Connector - JST\XA Family.pdf", ComponentLink2Description="Supplier Link", ComponentLink2URL=https://www.digikey.com/en/products/detail/jst-sales-america-inc/SXA-001T-P0-6/923775, Operating Temperature, Min=---℃, Price, Max=0.01303, Price, Min=0.1, Quantity, Max=56000, Quantity, Min=1, Supplier=Digikey, Supplier Currency=$, Supplier Link=https://www.digikey.com/en/products/detail/jst-sales-america-inc/SXA-001T-P0-6/923775
Pin302 Pin303 Pin304 Pin305 Pin306 Pin307 Pin308 Pin309 Pin310 Pin311 Pin312 Pin313 Pin314 Pin315 Pin316 Pin317 Pin320 Pin321 Pin322 Pin323 Pin324 Pin325 Pin326 Pin327 Pin328 Pin329 Pin330 Pin331 Pin332 Pin333 Pin334 Pin335 Pin336 Pin337 Pin338 Pin343 Pin344 Pin345 Pin348 Pin349 Pin350 Pin351: "Pin, JST, SPND-001T-C0.5", Manufacturer=JST, Manufacturer Part Number=SPND-001T-C0.5, Operating Temperature, Max=---℃, Package=Housing, Supplier Part Number=455-2303-1-ND, Component Category=Connector, Component Type=PCB, ComponentLink1Description=Datasheet, ComponentLink1URL="E:\Altium\Datasheets\Connector - JST\PAD Family.pdf", ComponentLink2Description="Supplier Link", ComponentLink2URL=https://www.digikey.com/en/products/detail/jst-sales-america-inc/SPND-001T-C0-5/1788519, Operating Temperature, Min=---℃, Price, Max=0.01409, Price, Min=0.1, Quantity, Max=56000, Quantity, Min=1, Supplier=Digikey, Supplier Currency=$, Supplier Link=https://www.digikey.com/en/products/detail/jst-sales-america-inc/SPND-001T-C0-5/1788519
Pin339 Pin340 Pin341 Pin342 Pin346 Pin347: "Pin, JST, SPHD-001T-P0.5", Manufacturer=JST, Manufacturer Part Number=SPHD-001T-P0.5, Operating Temperature, Max=*℃, Package=Housing, Supplier Part Number=455-1325-1-ND, Component Category=Connector, Component Type=PCB, ComponentLink1Description=Datasheet, ComponentLink1URL="E:\Altium\Datasheets\Connector - JST\PA Family.pdf", ComponentLink2Description="Supplier Link", ComponentLink2URL=https://www.digikey.com/en/products/detail/jst-sales-america-inc/SPHD-001T-P0-5/608766, Operating Temperature, Min=*℃, Price, Max=0.01478, Price, Min=0.1, Quantity, Max=2500, Quantity, Min=1, Supplier=Digikey, Supplier Currency=$, Supplier Link=https://www.digikey.com/en/products/detail/jst-sales-america-inc/SPHD-001T-P0-5/608766
Pin354 Pin355 Pin358 Pin359 Pin360 Pin361: "IC, Interface, FTDI, QFN-16", Manufacturer=JST, Manufacturer Part Number=SPHD-001T-P0.5, Operating Temperature, Max=*℃, Package=Housing, Supplier Part Number=455-1325-1-ND, Component Category=Connector, Component Type=PCB, ComponentLink1Description=Datasheet, ComponentLink1URL="E:\Altium\Datasheets\Connector - JST\PA Family.pdf", ComponentLink2Description="Supplier Link", ComponentLink2URL=https://www.digikey.com/en/products/detail/jst-sales-america-inc/SPHD-001T-P0-5/608766, Operating Temperature, Min=*℃, Price, Max=0.01478, Price, Min=0.1, Quantity, Max=2500, Quantity, Min=1, Supplier=Digikey, Supplier Currency=$, Supplier Link=https://www.digikey.com/en/products/detail/jst-sales-america-inc/SPHD-001T-P0-5/608766
Q80_LdG Q80_LdO Q80_LdR Q80_LdY: "MOSFET, N-CH, 20V, 100mA, SOT-416FL", Current=100mA, Manufacturer=Rohm, Manufacturer Part Number=RE1C001UNTCL, Operating Temperature, Max=*℃, Package="SOT-416FL, SC-89", Supplier Part Number=RE1C001UNTCLCT-ND, Voltage=20V, Component Category=Transistor, Component Type=Mosfet, ComponentLink1Description=Datasheet, ComponentLink1URL="E:\Altium\Datasheets\Transistor\Rohm, RE1C001UN.pdf", ComponentLink2Description="Supplier Link", ComponentLink2URL=https://www.digikey.com/en/products/detail/rohm-semiconductor/RE1C001UNTCL/4004557, Operating Temperature, Min=*℃, Price, Max=0.0638, Price, Min=0.42, Quantity, Max=6000, Quantity, Min=1, Supplier=Digikey, Supplier Currency=$, Supplier Link=https://www.digikey.com/en/products/detail/rohm-semiconductor/RE1C001UNTCL/4004557
R40_Bt1 R40_Bt2 R40_Bt3 R60_Sw1 R60_Sw2 R60_Sw3 R102 R110 R113 R707: "Res, 1K, 1%, M1005", Manufacturer=Yageo, Manufacturer Part Number=RC0402FR-071KP, Operating Temperature, Max=-55℃, Operating Temperature, Min=+155℃, Package=M1005, Supplier Part Number=YAG1254CT-ND, Tolerance=1%, Component Category=Resistor, Component Type="Fixed Value", ComponentLink1Description=Datasheet, ComponentLink1URL="E:\Altium\Datasheets\Resistor\Yageo - RC_L Series.pdf", ComponentLink2Description="Supplier Link", ComponentLink2URL=https://www.digikey.com/en/products/detail/yageo/RC0402FR-071KP/4935269, Price, Max=0.00282, Price, Min=0.1, Quantity, Max=100000, Quantity, Min=1, Supplier=Digikey, Supplier Currency=$, Supplier Link=https://www.digikey.com/en/products/detail/yageo/RC0402FR-071KP/4935269
R41_Bt1 R41_Bt2 R41_Bt3 R61_Sw1 R61_Sw2 R61_Sw3 R81_LdG R81_LdO R81_LdR R81_LdY R111: "Res, 100K, 1%, M1005", Manufacturer=Yageo, Manufacturer Part Number=RC0402FR-07100KP, Operating Temperature, Max=-55℃, Operating Temperature, Min=+155℃, Package=M1005, Supplier Part Number=13-RC0402FR-07100KPCT-ND, Tolerance=1%, Component Category=Resistor, Component Type="Fixed Value", ComponentLink1Description=Datasheet, ComponentLink1URL="E:\Altium\Datasheets\Resistor\Yageo - RC_L Series.pdf", ComponentLink2Description="Supplier Link", ComponentLink2URL=https://www.digikey.com/en/products/detail/yageo/RC0402FR-07100KP/12698883, Price, Max=0.00282, Price, Min=0.1, Quantity, Max=100000, Quantity, Min=1, Supplier=Digikey, Supplier Currency=$, Supplier Link=https://www.digikey.com/en/products/detail/yageo/RC0402FR-07100KP/12698883
R80_LdG R80_LdO R80_LdR R80_LdY R142 R143 R144 R145 R621 R622 R645 R653 R660 R661 R677 R679 R681 R748 R749 R752: "Res, 330R, 1%, M1005", Manufacturer=Yageo, Manufacturer Part Number=RC0402FR-07330RL, Operating Temperature, Max=-55℃, Operating Temperature, Min=+155℃, Package=M1005, Supplier Part Number=311-330LRCT-ND, Tolerance=1%, Component Category=Resistor, Component Type="Fixed Value", ComponentLink1Description=Datasheet, ComponentLink1URL="E:\Altium\Datasheets\Resistor\Yageo - RC_L Series.pdf", ComponentLink2Description="Supplier Link", ComponentLink2URL=https://www.digikey.com/en/products/detail/yageo/RC0402FR-07330RL/726594, Price, Max=0.00129, Price, Min=0.1, Quantity, Max=100000, Quantity, Min=1, Supplier=Digikey, Supplier Currency=$, Supplier Link=https://www.digikey.com/en/products/detail/yageo/RC0402FR-07330RL/726594
R100 R108 R112 R114 R115 R200 R201 R202 R203 R204 R205 R300 R301 R302 R303 R600 R601 R602 R603 R604 R620 R641 R657 R658 R669 R670 R682 R683 R708 R709 R710 R711 R712 R713 R714 R715 R716 R745 R747: "Res, 0R, M1005", Manufacturer=Yageo, Manufacturer Part Number=RC0402FR-070RL, Operating Temperature, Max=-55℃, Operating Temperature, Min=+155℃, Package=M1005, Supplier Part Number=311-0.0LRCT-ND, Component Category=Resistor, Component Type="Fixed Value", ComponentLink1Description=Datasheet, ComponentLink1URL="E:\Altium\Datasheets\Resistor\Yageo - RC_L Series.pdf", ComponentLink2Description="Supplier Link", ComponentLink2URL=https://www.digikey.com/en/products/detail/yageo/RC0402FR-070RL/2827570, Price, Max=0.00109, Price, Min=0.1, Quantity, Max=50000, Quantity, Min=1, Supplier=Digikey, Supplier Currency=$, Supplier Link=https://www.digikey.com/en/products/detail/yageo/RC0402FR-070RL/2827570
R101: "Res, 75K, 1%, M1005", Manufacturer=Yageo, Manufacturer Part Number=RC0402FR-0775KL, Operating Temperature, Max=-55℃, Operating Temperature, Min=+155℃, Package=M1005, Supplier Part Number=311-75KLRCT-ND, Tolerance=1%, Component Category=Resistor, Component Type="Fixed Value", ComponentLink1Description=Datasheet, ComponentLink1URL="E:\Altium\Datasheets\Resistor\Yageo - RC_L Series.pdf", ComponentLink2Description="Supplier Link", ComponentLink2URL=https://www.digikey.com/en/products/detail/yageo/RC0402FR-0775KL/2827576, Price, Max=0.00129, Price, Min=0.1, Quantity, Max=100000, Quantity, Min=1, Supplier=Digikey, Supplier Currency=$, Supplier Link=https://www.digikey.com/en/products/detail/yageo/RC0402FR-0775KL/2827576